# Altium PCB PCB_Kasli.PCBDOC (part 15 of 16)
Units mm, origin at the board's own origin, x right, y up, seen from the top; angles counter-clockwise.
Board outline 200.3 x 100 mm, 6 copper layers (TopLayer, MidLayer1, MidLayer2, SignalLayer1, Internal Plane 1, BottomLayer), stack 1.528 mm thick; 775 components, 636 nets, 3136 pads, 1724 vias.
Unrouted connection lines stored in the file: 7.
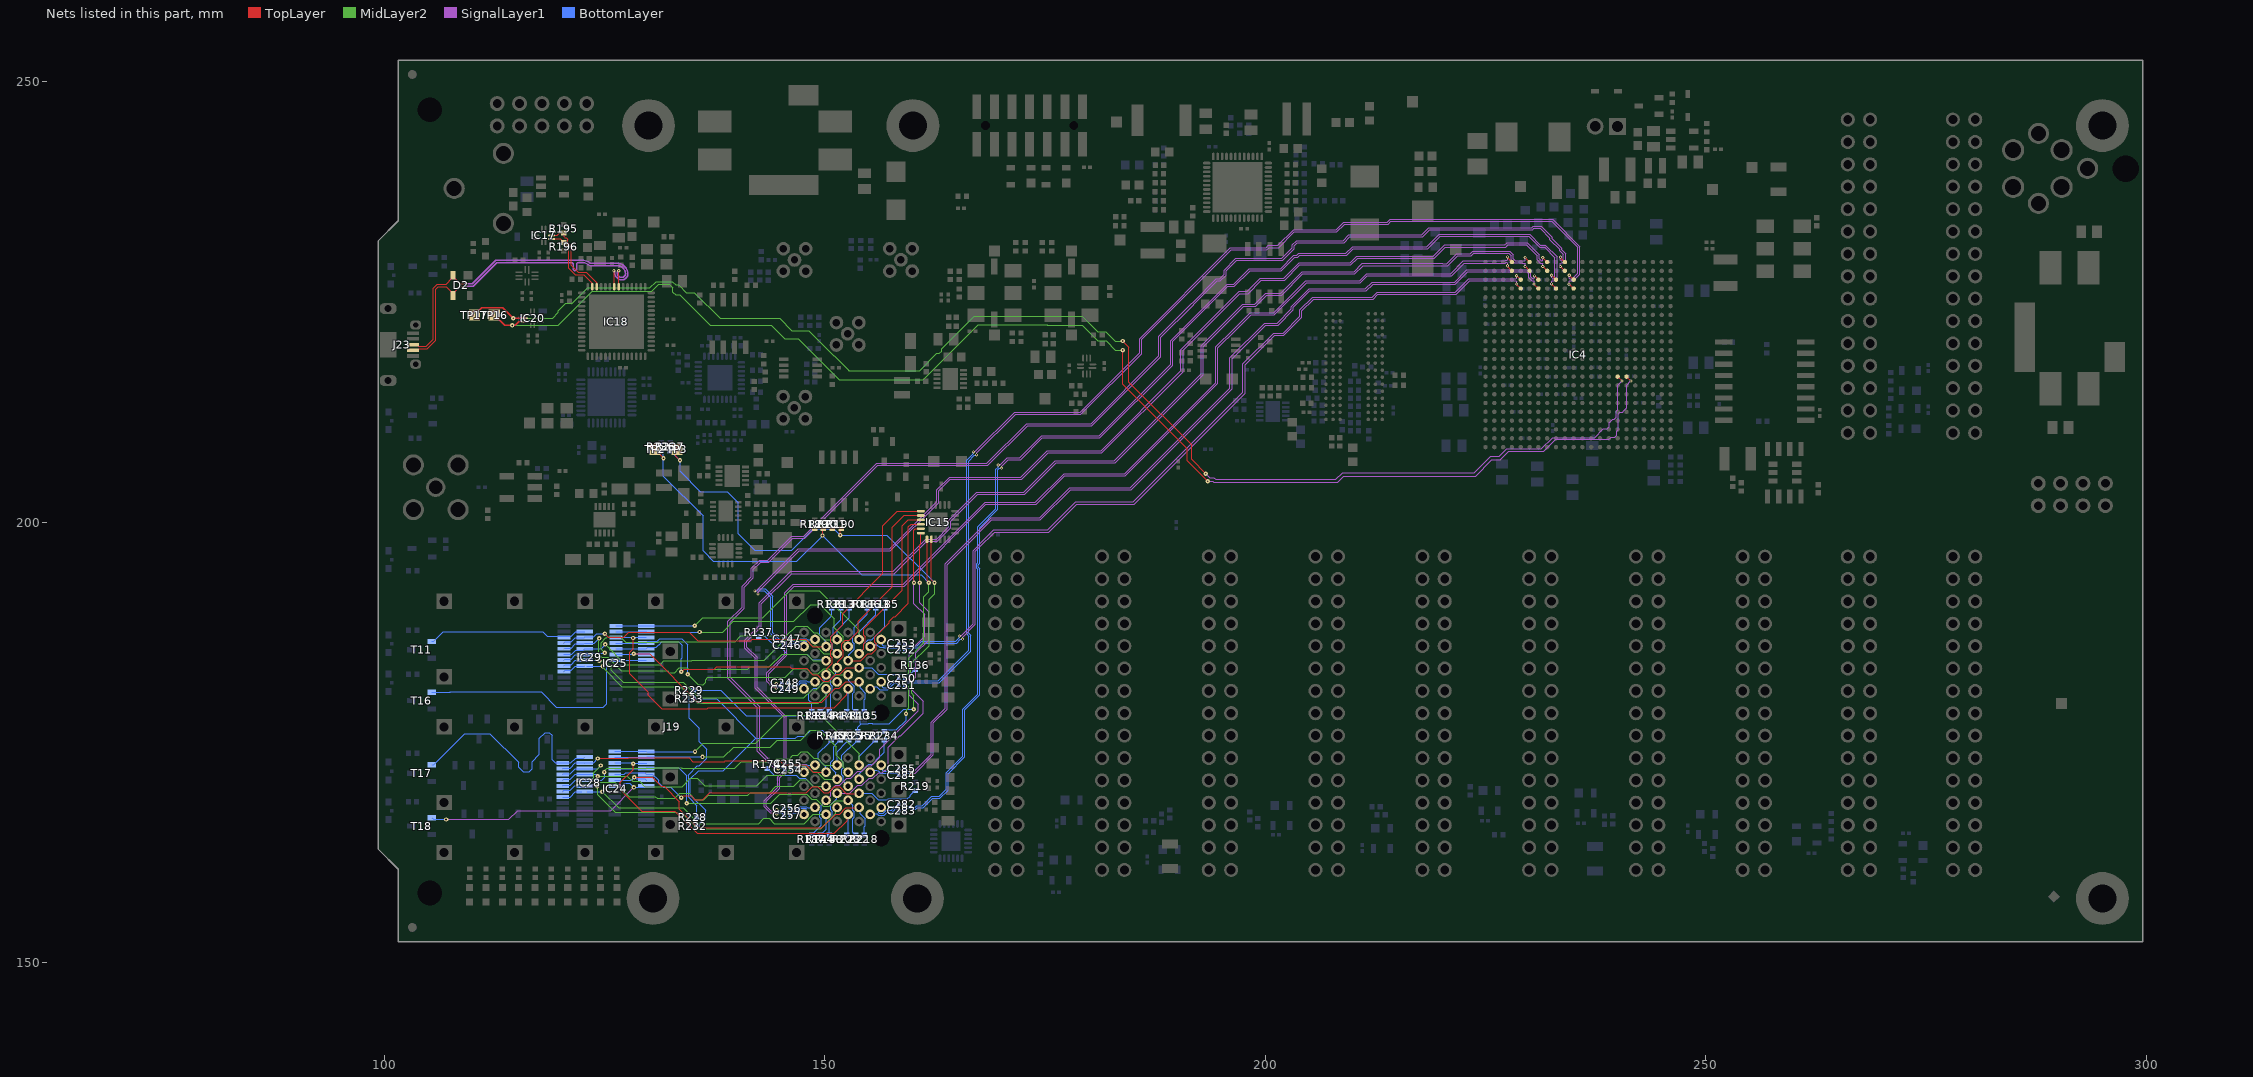
[diagram p19: the nets of this part, all layers, seen from the top]

## Via types
v1: diameter 0.5, hole 0.2, TopLayer to BottomLayer, tented both sides, 845 vias
v2: diameter 0.35, hole 0.15, TopLayer to BottomLayer, tented both sides, 612 vias
v3: diameter 0.8, hole 0.5, TopLayer to BottomLayer, tented both sides, 144 vias
v4: diameter 0.8, hole 0.5, TopLayer to BottomLayer, 66 vias
v5: diameter 0.5, hole 0.2, TopLayer to BottomLayer, 57 vias

## Nets (pads, with @x,y where several pads share a name; then routed paths per layer and width w, separated by ;. In a path a pad name is that pad's centre, name@x,y a point inside that pad or via, vN(x,y) a via of type N, cw(c..) or ccw(c..) an arc to the next point about the centre after c; other vN are vias at no path point) (continued)
RxD_2V5: IC4.P17 IC20.5 TP16.1 | length 159.1
  TopLayer w0.1: v1(183.825,219.525) 183.825,215.625 191.125,208.325 191.125,206.989 v1(193.474,204.64)
  TopLayer w0.125: IC4.P17@240.991,216.515 v2(241.491,216.015)
  TopLayer w0.15: TP16.1@112.5,223.5 113.675,222.325 v1(114.525,222.325) 114.85,222.325 115.05,222.525 115.264,222.739 IC20.5@115.94,222.739
  MidLayer2 w0.1: v1(114.525,222.325) 119.743,222.325 123.618,226.2 130.393,226.2 131.184,226.991 132.359,226.991 132.778,226.572 132.778,226.085 133.063,225.8 133.55,225.8 137.025,222.325 143.925,222.325 145.439,220.811 146.989,220.811 151.625,216.175 161.2,216.175 167.4,222.375 175.236,222.375 175.261,222.35 179.225,222.35 181,220.575 181.925,220.575 182.975,219.525 v1(183.825,219.525)
  SignalLayer1 w0.1: v1(193.474,204.64) 194.019,204.64 194.144,204.515 208.215,204.515 208.927,205.227 223.862,205.227 225.71,207.075 226.675,207.075 227.625,208.025 231.625,208.025 232.975,209.375 239,209.375 239.265,209.64 239.647,209.64 239.866,209.86 239.866,210.316 240.031,210.481 240.031,212.265 240.25,212.485 240.561,212.485 240.701,212.624
  SignalLayer1 w0.125: 240.701,212.624 241.025,212.949 241.025,215.549 v2(241.491,216.015)
SFP0_RD_N: C247.1 J19.LB12 | length 3.1
  BottomLayer w0.095: C247.1@146.1,186.75 146.125,186.75 146.278,186.598 146.278,186.541 146.333,186.485 146.911,186.485 147.198,186.773 147.928,186.773 148.048,186.652 148.882,186.652 J19.LB12@148.9,186.67
SFP0_RD_P: C246.1 J19.LB13 | length 2.8
  BottomLayer w0.095: C246.1@146.1,186 146.125,186 146.278,186.152 146.278,186.209 146.333,186.265 147.002,186.265 147.29,186.552 147.837,186.552 147.893,186.497 147.893,186.357 147.65,186.115 J19.LB13@147.65,185.87
SFP0_TD_N: C249.1 J19.LB19 | length 3.1
  BottomLayer w0.095: C249.1@145.875,181.025 145.9,181.025 146.053,181.177 146.053,181.234 146.108,181.29 146.827,181.29 147.29,181.753 147.837,181.753 147.893,181.697 147.893,181.557 147.65,181.315 J19.LB19@147.65,181.07
SFP0_TD_P: C248.1 J19.LB18 | length 3.4
  BottomLayer w0.095: C248.1@145.875,181.775 145.9,181.775 146.053,181.623 146.053,181.566 146.108,181.51 146.736,181.51 147.198,181.973 147.928,181.973 148.048,181.852 148.882,181.852 J19.LB18@148.9,181.87
SFP1_RD_N: C251.1 J19.LT12 | length 4
  BottomLayer w0.095: J19.LT12@155.15,181.07 J19.LT12@155.155,181.075 ; J19.LT12@155.15,181.075 J19.LT12@155.155,181.075 ; C251.1@158.4,181.5 158.375,181.5 158.223,181.652 158.223,181.709 158.167,181.765 157.918,181.765 157.126,180.973 156.258,180.973 155.923,181.308 155.655,181.308 155.422,181.075 J19.LT12@155.155,181.075
SFP1_RD_P: C250.1 J19.LT13 | length 3
  BottomLayer w0.095: J19.LT13@156.4,181.875 156.562,181.712 156.562,181.248 156.618,181.193 157.034,181.193 157.827,181.985 158.167,181.985 158.223,182.041 158.223,182.098 158.375,182.25 C250.1@158.4,182.25
SFP1_TD_N: C253.1 J19.LT19 | length 2.7
  BottomLayer w0.095: J19.LT19@156.4,186.675 156.562,186.513 156.562,186.048 156.618,185.993 156.78,185.993 156.788,185.985 158.167,185.985 158.223,186.041 158.223,186.098 158.375,186.25 C253.1@158.4,186.25
SFP1_TD_P: C252.1 J19.LT18 | length 3.6
  BottomLayer w0.095: J19.LT18@155.15,185.87 J19.LT18@155.155,185.875 ; J19.LT18@155.15,185.875 J19.LT18@155.155,185.875 ; C252.1@158.4,185.5 158.375,185.5 158.223,185.652 158.223,185.709 158.167,185.765 156.696,185.765 156.689,185.773 156.258,185.773 155.923,186.108 155.655,186.108 155.422,185.875 J19.LT18@155.155,185.875
SFP2_RD_N: C255.1 J19.RB12 | length 2.9
  BottomLayer w0.095: C255.1@146.201,172.601 146.226,172.601 146.378,172.448 146.378,172.416 146.434,172.361 147.037,172.361 147.198,172.523 147.928,172.523 148.048,172.402 148.882,172.402 J19.RB12@148.9,172.42
SFP2_RD_P: C254.1 J19.RB13 | length 2.6
  BottomLayer w0.095: C254.1@146.201,171.901 146.226,171.901 146.378,172.053 146.378,172.085 146.434,172.141 147.128,172.141 147.29,172.303 147.837,172.303 147.893,172.247 147.893,172.107 147.65,171.865 J19.RB13@147.65,171.62
SFP2_TD_N: C257.1 J19.RB19 | length 2.9
  BottomLayer w0.095: C257.1@146.1,166.75 146.125,166.75 146.278,166.902 146.278,166.959 146.333,167.015 146.802,167.015 147.29,167.503 147.837,167.503 147.893,167.447 147.893,167.307 147.65,167.065 J19.RB19@147.65,166.82
SFP2_TD_P: C256.1 J19.RB18 | length 3.2
  BottomLayer w0.095: C256.1@146.1,167.5 146.125,167.5 146.278,167.348 146.278,167.291 146.333,167.235 146.711,167.235 147.198,167.723 147.928,167.723 148.048,167.602 148.882,167.602 J19.RB18@148.9,167.62
SFP3_RD_N: C283.1 J19.RT12 | length 3.8
  BottomLayer w0.095: J19.RT12@155.15,166.82 155.208,166.878 155.962,166.878 156.082,166.757 156.757,166.757 157.094,167.094 157.681,167.094 157.937,167.351 157.937,167.414 158.038,167.515 158.167,167.515 158.223,167.459 158.223,167.402 158.375,167.25 C283.1@158.4,167.25
SFP3_RD_P: C282.1 J19.RT13 | length 3.5
  BottomLayer w0.095: J19.RT13@156.4,167.62 156.4,167.394 156.117,167.112 156.117,167.033 156.173,166.977 156.666,166.977 157.003,167.314 157.589,167.314 157.717,167.443 157.717,167.505 157.947,167.735 158.167,167.735 158.223,167.791 158.223,167.848 158.375,168 C282.1@158.4,168
SFP3_TD_N: C285.1 J19.RT19 | length 2.6
  BottomLayer w0.095: J19.RT19@156.481,172.344 156.562,172.263 156.562,171.798 156.618,171.743 156.78,171.743 156.788,171.735 158.167,171.735 158.223,171.791 158.223,171.847 158.375,172 C285.1@158.4,172
SFP3_TD_P: C284.1 J19.RT18 | length 3.6
  BottomLayer w0.095: J19.RT18@155.15,171.62 J19.RT18@155.155,171.625 ; J19.RT18@155.15,171.625 J19.RT18@155.155,171.625 ; C284.1@158.4,171.25 158.375,171.25 158.223,171.402 158.223,171.459 158.167,171.515 156.696,171.515 156.689,171.523 156.316,171.523 156.081,171.757 156.024,171.757 155.923,171.858 155.655,171.858 155.422,171.625 J19.RT18@155.155,171.625
SFP_0.LED: IC25.27 IC29.10 T11.1 | length 18.3
  BottomLayer w0.1: T11.1@105.4,186.45 105.6,186.45 106.725,187.575 118,187.575 118.534,187.041 121.216,187.041 121.734,187.559 122.734,187.559 IC25.27@122.75,187.575
SFP_0.LOS: IC25.26 IC29.9 J19.LB8 R138.1 | length 36.6
  TopLayer w0.125: v1(125.05,187.325) 125.45,186.925 127.176,186.925 127.751,187.5 134.6,187.5 135.563,186.537 141.601,186.537 141.776,186.713 147.82,186.713 148.658,185.875 J19.LB8@150.15,185.875
  BottomLayer w0.125: IC29.9@120.4,186.275 120.533,186.408 121.233,186.408 121.711,186.886 122.711,186.886 122.789,186.964 123.789,186.964 124.15,187.325 v1(125.05,187.325) ; J19.LB8@150.15,185.87 150.055,185.965 150.055,186.558 149.438,187.175 149.438,187.988 150.8,189.35 R138.1@150.8,190.23
SFP_0.MOD_PRESENT: IC25.25 IC29.8 J19.LB6 R137.1 | length 43.1
  MidLayer2 w0.125: v1(124.4,186.8) 124.366,186.766 124.366,186.465 124.325,186.424 124.325,185 124.675,184.65 125.35,184.65 126.889,183.111 132.164,183.111 132.35,182.925 132.969,182.925 133.515,183.471 134.355,183.471 134.539,183.287 141.24,183.287 141.51,183.558 143.725,183.558 145.155,184.988 147.975,184.988 148.692,184.27 J19.LB6@150.15,184.27
  BottomLayer w0.125: IC29.8@120.4,185.625 120.476,185.701 121.239,185.701 121.711,186.173 122.648,186.173 IC25.25@122.75,186.275 123.862,186.275 124.387,186.8 v1(124.4,186.8) ; R137.1@142.5,187.03 143.22,187.03 144.537,185.713 145.048,185.713 145.761,185 148,185 148.188,184.813 148.188,184.775 148.605,184.358 150.063,184.358 J19.LB6@150.15,184.27
SFP_0.RATE_SELECT: IC25.24 IC29.7 J19.LB7 R213.2 | length 40.1
  MidLayer2 w0.125: v1(125.078,186.122) 127.362,183.837 131.313,183.837 131.713,184.238 134.88,184.238 134.975,184.332 143.158,184.332 145.413,186.588 147.945,186.588 148.575,185.958 149.025,185.958 149.908,185.075 149.908,185.07 J19.LB7@151.4,185.07
  BottomLayer w0.125: IC29.7@120.4,184.975 121.275,184.975 121.763,185.463 122.587,185.463 IC25.24@122.75,185.625 124.644,185.625 125.078,186.059 v1(125.078,186.122) ; J19.LB7@151.4,185.07 150.863,185.608 150.863,186.2 150.688,186.375 150.688,187 150.95,187.262 150.95,188.075 151.8,188.925 R213.2@151.8,190.23
SFP_0.RATE_SELECT1: IC25.23 IC29.6 J19.LB9 R130.2 | length 39.1
  MidLayer2 w0.125: v1(125.025,185.15) 124.615,185.56 124.615,186.315 125.162,186.862 125.242,186.862 125.354,186.975 126.787,186.975 127.4,186.363 131.125,186.363 131.175,186.413 139.817,186.413 140.479,187.075 145.65,187.075 146.763,188.188 147.987,188.188 148.725,187.45 149.133,187.45 149.913,186.67 J19.LB9@151.4,186.67
  BottomLayer w0.125: IC29.6@120.4,184.325 120.533,184.458 121.233,184.458 121.711,184.936 122.711,184.936 122.912,185.137 125.012,185.137 v1(125.025,185.15) ; J19.LB9@151.4,186.67 151.4,187.75 152.8,189.15 R130.2@152.8,190.23
SFP_0.SCL: IC15.2 J19.LB5 R184.1 | length 28.2
  TopLayer w0.125: J19.LB5@151.4,183.47 151.495,183.565 151.495,184.158 152.113,184.775 152.113,185.383 151.938,185.558 151.938,185.861 151.937,186.17 152.355,186.588 152.775,186.588 153.775,187.587 153.775,188.775 157.675,192.675 157.675,199.4 159.026,200.751 IC15.2@160.906,200.751
  BottomLayer w0.125: R184.1@150.5,178.47 150.687,178.657 150.687,180.57 150.862,180.745 150.862,181.37 150.687,181.545 150.687,182.184 151.241,182.737 151.241,183.316 J19.LB5@151.4,183.475
SFP_0.SDA: IC15.1 J19.LB4 R183.1 | length 30.7
  TopLayer w0.125: J19.LB4@150.15,182.67 150.245,182.765 150.245,183.358 150.863,183.975 150.863,184.6 150.688,184.775 150.688,185 150.687,185.405 150.862,185.58 150.862,186.2 ; 150.688,186.343 150.688,186.345 ; 150.688,186.67 150.688,186.345 ; 150.704,186.359 150.862,186.2 ; 150.775,186.258 150.688,186.345 ; 150.862,186.207 150.862,186.2 ; IC15.1@160.906,201.251 158.251,201.251 156.6,199.6 156.6,194.175 152.022,189.597 152.022,188.327 150.687,186.993 150.687,186.345
  BottomLayer w0.125: R183.1@148.5,178.47 148.5,179.475 148.188,179.788 148.188,180.57 148.78,181.163 149.195,181.163 149.97,181.937 149.97,182.495 J19.LB4@150.15,182.675
SFP_0.TX_DISABLE: IC25.22 IC29.5 J19.LB3 | length 34
  MidLayer2 w0.125: v1(124.4,184.275) 125.05,184.275 125.775,183.55 125.775,183.179 127.128,181.826 133.924,181.826 135.687,180.062 147.645,180.062 148.57,180.988 149.025,180.988 149.908,181.87 J19.LB3@151.4,181.87
  BottomLayer w0.125: IC29.5@120.4,183.675 120.545,183.82 121.22,183.82 121.711,184.311 122.736,184.311 IC25.22@122.75,184.325 122.775,184.3 124.375,184.3 v1(124.4,184.275)
SFP_0.TX_FAULT: IC25.21 IC29.4 J19.LB2 R134.1 | length 35.6
  MidLayer2 w0.125: v1(124.8,183.65) 124.8,183.549 124.909,183.439 124.909,183.391 126.975,181.325 133.675,181.325 135.542,179.458 149.237,179.458 150.15,180.371 J19.LB2@150.15,181.07
  BottomLayer w0.125: IC29.4@120.4,183.025 120.533,183.158 121.233,183.158 121.711,183.636 122.711,183.636 IC25.21@122.75,183.675 ; IC25.21@122.975,183.65 v1(124.8,183.65) ; R134.1@149.5,178.47 149.52,178.47 149.747,178.697 149.747,178.717 150.15,179.12 J19.LB2@150.15,181.07
SFP_1.LED: IC25.7 IC29.19 T16.1 | length 30
  BottomLayer w0.1: T16.1@105.4,180.7 107.5,180.7 107.525,180.725 117.8,180.725 119.525,179 124.875,179 125.275,179.4 125.275,184.1 125.484,184.309 126.284,184.309 IC29.19@126.3,184.325 IC25.7@129.75,184.325
SFP_1.LOS: IC25.6 IC29.18 J19.LT8 R135.1 | length 35.9
  TopLayer w0.1: v1(128.325,185.05) 130.114,185.05 135.594,179.57 149.64,179.57 151.206,181.136 151.656,181.136 152.39,181.87 J19.LT8@153.9,181.87
  BottomLayer w0.1: IC29.18@126.3,184.975 v1@128.25,184.975 ; v1(128.325,185.05) 129.675,185.05 IC25.6@129.75,184.975 ; J19.LT8@153.9,181.875 154.006,181.769 154.006,181.175 154.6,180.581 154.6,179.955 154.5,179.855 R135.1@154.5,178.47
SFP_1.MOD_PRESENT: IC25.5 IC29.17 J19.LT6 R136.1 | length 41.5
  TopLayer w0.125: v1(133.707,183.009) 133.768,183.009 134.047,183.287 137.472,183.287 137.742,183.558 146.05,183.558 146.22,183.388 147.945,183.388 148.658,182.675 149.137,182.675 149.855,181.958 150.445,181.958 151.245,182.758 151.704,182.758 152.416,183.47 J19.LT6@153.9,183.47
  BottomLayer w0.125: IC29.17@126.3,185.625 IC25.5@129.75,185.625 129.912,185.787 130.862,185.787 131.175,186.1 131.204,186.1 131.517,186.413 133.443,186.413 133.825,186.031 133.825,184.63 133.707,184.511 v1(133.707,183.009) ; 131.55,186.4 133.4,186.4 ; J19.LT6@153.9,183.47 153.905,183.475 155.358,183.475 156.075,182.758 159.707,182.758 160.2,183.25 160.22,183.25 R136.1@160.25,183.28
SFP_1.RATE_SELECT: IC25.4 IC29.16 J19.LT7 R140.2 | length 37.1
  MidLayer2 w0.1: v1(134.45,182.725) 135.625,181.55 136.186,181.55 136.468,181.832 136.468,182.093 136.75,182.375 145.511,182.375 146.511,183.375 147.94,183.375 148.545,182.77 149.255,182.77 149.86,183.375 150.44,183.375 151.145,182.67 J19.LT7@152.65,182.67
  BottomLayer w0.1: IC29.16@126.3,186.275 IC25.4@129.75,186.275 129.925,186.45 130.975,186.45 131.275,186.75 133.8,186.75 134.45,186.1 v1(134.45,182.725) ; J19.LT7@152.65,182.675 152.745,182.58 152.745,181.975 153.35,181.37 153.35,180.71 153.2,180.56 153.2,178.77 153.24,178.73 153.24,178.71 153.48,178.47 R140.2@153.5,178.47
SFP_1.RATE_SELECT1: IC25.3 IC29.15 J19.LT9 R141.2 | length 38.1
  TopLayer w0.125: v1(128.25,186.85) 128.25,185.629 127.863,185.242 127.863,182.812 129.987,180.687 129.987,180.367 131.517,178.837 136.68,178.837 136.775,178.932 151.07,178.932 152.52,180.383 152.52,180.94 J19.LT9@152.65,181.07
  BottomLayer w0.125: IC29.15@126.3,186.925 128.074,186.925 v1@128.149,186.85 ; v1(128.25,186.85) 128.322,186.922 128.634,186.922 128.637,186.925 IC25.3@129.75,186.925 ; R141.2@152.5,178.47 152.65,178.62 J19.LT9@152.65,181.07
SFP_1.SCL: IC15.4 J19.LT5 R186.1 | length 27.9
  TopLayer w0.125: J19.LT5@152.65,184.27 154.108,184.27 154.908,185.07 155.358,185.07 155.863,185.575 155.863,186.2 155.688,186.375 155.688,186.775 155.687,186.97 156.501,187.783 156.506,187.783 157.324,188.601 157.324,188.748 157.839,189.264 157.986,189.264 159.5,190.778 159.5,199.45 159.801,199.751 IC15.4@160.906,199.751
  BottomLayer w0.125: J19.LT5@152.65,184.27 152.745,184.365 152.745,184.958 153.363,185.575 153.363,186.2 153.188,186.375 153.188,187 153.363,187.175 153.363,188.088 154.8,189.525 R186.1@154.8,190.23
SFP_1.SDA: IC15.3 J19.LT4 R185.1 | length 25.6
  TopLayer w0.125: J19.LT4@153.9,185.07 J19.LT4@153.902,185.073 ; J19.LT4@153.9,185.075 154.437,185.612 154.437,185.909 154.437,186.205 154.613,186.38 154.613,187.005 154.437,187.18 154.437,187.887 158.825,192.275 158.825,199.575 159.493,200.243 IC15.3@160.898,200.243
  BottomLayer w0.125: J19.LT4@153.9,185.07 J19.LT4@153.902,185.073 ; J19.LT4@153.9,185.075 154.437,185.612 154.437,186.17 154.918,186.651 155.338,186.651 156.8,188.112 R185.1@156.8,190.23
SFP_1.TX_DISABLE: IC25.2 IC29.14 J19.LT3 | length 30.5
  MidLayer2 w0.125: v1(135.8,187.525) 138.425,187.525 139.625,188.725 146.5,188.725 148.387,190.613 149.487,190.613 151.054,189.046 151.054,188.029 152.112,186.97 152.112,186.413 J19.LT3@152.65,185.875 ; J19.LT3@152.648,185.873 J19.LT3@152.65,185.87
  BottomLayer w0.125: IC29.14@126.3,187.575 IC25.2@129.75,187.575 129.8,187.525 v1(135.8,187.525)
SFP_1.TX_FAULT: IC25.1 IC29.13 J19.LT2 R133.1 | length 36.5
  MidLayer2 w0.125: v1(135.25,188.225) 136.175,189.15 142.965,189.15 146.015,192.2 149.4,192.2 153.9,187.7 J19.LT2@153.9,186.675 ; J19.LT2@153.898,186.673 J19.LT2@153.9,186.67
  BottomLayer w0.125: IC29.13@126.3,188.225 IC25.1@129.75,188.225 v1(135.25,188.225) ; J19.LT2@153.9,186.67 153.9,187.575 155.8,189.475 R133.1@155.8,190.23
SFP_2.LED: IC24.27 IC28.10 T17.1 | length 27.6
  BottomLayer w0.1: T17.1@105.4,172.45 105.6,172.45 109.139,175.989 111.986,175.989 115.25,172.725 115.25,172.204 115.779,171.675 116.479,171.675 116.8,171.996 116.8,172.825 117.6,173.625 117.6,175.446 118.262,176.109 118.738,176.109 119.05,175.796 119.05,173.05 119.425,172.675 IC28.10@120.275,172.675 121.2,172.675 121.734,173.209 122.634,173.209 IC24.27@122.75,173.325
SFP_2.LOS: IC24.26 IC28.9 J19.RB8 R145.1 | length 35.8
  TopLayer w0.125: v1(124.25,173.175) 127.72,173.175 127.773,173.228 134.622,173.228 135.034,172.816 138.663,172.816 138.736,172.888 144.886,172.888 145.333,172.441 147.842,172.441 148.685,171.598 J19.RB8@150.172,171.598
  BottomLayer w0.125: IC28.9@120.275,172.025 120.314,172.064 121.114,172.064 121.711,172.661 122.736,172.661 IC24.26@122.75,172.675 ; IC24.26@122.772,172.653 122.833,172.714 123.789,172.714 v1(124.25,173.175) ; J19.RB8@150.15,171.62 150.128,171.642 150.128,172.234 149.279,173.083 149.279,173.754 150.503,174.977 150.503,175.053 150.73,175.28 R145.1@150.75,175.28
SFP_2.MOD_PRESENT: IC24.25 IC28.8 J19.RB6 R174.1 | length 43.3
  MidLayer2 w0.125: v1(124.575,172.375) 123.775,171.575 123.775,170.7 124,170.475 125.59,170.475 125.605,170.491 126.18,170.491 127.832,168.839 130.786,168.839 130.972,168.653 132.99,168.653 133.537,169.2 134.596,169.2 135.308,168.487 136.247,168.487 136.775,169.016 141.262,169.016 141.532,169.286 143.747,169.286 144.459,169.998 146.462,169.998 147.202,170.738 147.975,170.738 148.714,169.998 J19.RB6@150.172,169.998
  BottomLayer w0.125: IC28.8@120.275,171.375 120.339,171.439 121.114,171.439 121.7,172.025 IC24.25@122.75,172.025 ; IC24.25@122.772,172.003 124.234,172.003 124.575,172.344 v1(124.575,172.375) ; R174.1@143.5,172.03 143.52,172.03 143.747,171.803 143.747,171.783 144.28,171.25 146.75,171.25 147.092,170.908 147.81,170.908 148.692,170.025 149.98,170.025 150.063,170.108 J19.RB6@150.15,170.02
SFP_2.RATE_SELECT: IC24.24 IC28.7 J19.RB7 R193.2 | length 39.5
  MidLayer2 w0.125: v1(124.25,171.166) 127.58,171.166 128.183,170.562 129,170.562 129.575,169.988 133.833,169.988 134.758,170.913 135.517,170.913 136.368,170.061 142.275,170.061 143.46,171.246 145.41,171.246 146.502,172.338 147.945,172.338 148.597,171.686 149.082,171.686 149.942,170.825 151.395,170.825 J19.RB7@151.422,170.798
  BottomLayer w0.125: IC28.7@120.275,170.725 120.364,170.814 121.114,170.814 121.675,171.375 IC24.24@122.75,171.375 ; IC24.24@122.784,171.366 123.989,171.366 124.189,171.166 v1(124.25,171.166) ; J19.RB7@151.4,170.825 151.255,170.97 151.255,171.563 150.687,172.13 150.687,172.755 151,173.067 151,174.53 151.503,175.032 151.503,175.052 151.73,175.28 R193.2@151.75,175.28
SFP_2.RATE_SELECT1: IC24.23 IC28.6 J19.RB9 R215.2 | length 37.3
  MidLayer2 w0.125: v1(124.975,171.628) 124.975,171.73 125.086,171.84 125.086,171.886 125.291,172.091 130.7,172.091 130.722,172.113 133.778,172.113 133.8,172.091 139.788,172.091 140.501,172.803 144.2,172.803 144.538,173.141 146.009,173.141 146.394,173.526 146.943,173.526 147.355,173.938 147.987,173.938 148.747,173.178 149.189,173.178 149.969,172.398 J19.RB9@151.422,172.398
  BottomLayer w0.125: IC28.6@120.275,170.075 120.339,170.139 121.114,170.139 121.7,170.725 IC24.23@122.75,170.725 ; IC24.23@122.772,170.703 124.703,170.703 125.025,171.025 125.025,171.578 v1(124.975,171.628) ; J19.RB9@151.4,172.42 151.4,173.93 152.515,175.045 152.515,175.065 152.73,175.28 R215.2@152.75,175.28
SFP_2.SCL: IC15.6 J19.RB5 R188.1 | length 42.8
  TopLayer w0.125: IC15.6@160.625,198.751 IC15.6@160.906,198.751 160.906,197.55 160.778,197.422 v1(160.778,193.125)
  SignalLayer1 w0.125: J19.RB5@151.4,169.22 152.853,169.22 153.74,170.108 154.225,170.108 155.025,170.908 155.475,170.908 156.105,171.538 156.52,171.538 156.799,171.816 156.941,171.816 157.225,172.1 157.225,174.471 158.517,175.762 158.612,175.762 161.175,178.325 161.175,179.671 159.776,181.07 159.776,181.825 160.35,182.399 160.35,185.15 161.8,186.6 161.8,189.825 160.778,190.847 v1(160.778,193.125)
  BottomLayer w0.125: R188.1@150.5,164.47 150.5,166.133 150.68,166.313 150.68,166.347 150.862,166.53 150.862,167.155 150.687,167.33 150.687,167.92 151.022,168.254 151.022,168.272 151.356,168.606 151.356,169.176 J19.RB5@151.4,169.22
SFP_2.SDA: IC15.5 J19.RB4 R187.1 | length 43.6
  TopLayer w0.125: v1(160.128,193.125) 160.128,197.697 160.1,197.725 160.1,199.083 160.268,199.251 IC15.5@160.906,199.251
  SignalLayer1 w0.125: J19.RB4@150.15,168.42 150.688,168.958 150.688,169.236 150.687,169.52 151.275,170.108 151.725,170.108 152.525,170.908 152.975,170.908 153.775,171.708 154.213,171.708 154.842,172.338 155.275,172.338 156.225,173.287 156.225,174.221 160.6,178.596 160.6,179.325 159.575,180.35 159.575,180.95 159.3,181.225 159.3,182 159.575,182.275 159.575,185.275 161.325,187.025 161.325,189.55 160.128,190.747 v1(160.128,193.125)
  BottomLayer w0.125: R187.1@148.5,164.47 148.52,164.47 148.747,164.697 148.747,164.717 149.613,165.583 149.613,166.355 149.437,166.53 149.437,167.12 149.612,167.295 149.612,167.888 150.145,168.42 J19.RB4@150.15,168.42
SFP_2.TX_DISABLE: IC24.22 IC28.5 J19.RB3 | length 35.3
  MidLayer2 w0.125: v1(124.175,170.012) 124.213,169.974 124.213,169.037 126.197,167.053 133.697,167.053 135.564,165.186 149.523,165.186 151.27,166.933 151.27,167.49 J19.RB3@151.4,167.62
  BottomLayer w0.125: IC28.5@120.275,169.425 120.408,169.558 121.108,169.558 121.625,170.075 IC24.22@122.75,170.075 ; IC24.22@122.772,170.053 122.822,170.053 122.844,170.075 124.113,170.075 v1(124.175,170.012)
SFP_2.TX_FAULT: IC24.21 IC28.4 J19.RB2 R144.1 | length 34.6
  MidLayer2 w0.125: v1(124.767,169.397) 126.61,167.554 133.946,167.554 135.709,165.791 142.487,165.791 143.058,166.363 143.703,166.363 144.275,165.791 147.658,165.791 148.687,166.82 J19.RB2@150.15,166.82
  BottomLayer w0.125: IC28.4@120.275,168.775 120.289,168.789 121.114,168.789 121.711,169.386 122.361,169.386 IC24.21@122.4,169.425 ; IC24.21@123.015,169.397 v1(124.767,169.397) ; R144.1@149.5,164.47 149.52,164.47 149.747,164.697 149.747,164.717 150.15,165.12 J19.RB2@150.15,166.82
SFP_3.LED: IC24.7 IC28.19 T18.1 | length 28.5
  SignalLayer1 w0.125: v1(107.025,166.25) 114.15,166.25 115.163,167.263 125.722,167.263 v1(128.347,169.888)
  BottomLayer w0.125: T18.1@105.4,166.45 105.6,166.25 v1(107.025,166.25) ; IC28.19@126.175,170.075 126.214,170.114 127.014,170.114 127.275,170.375 127.859,170.375 v1(128.347,169.888) 128.372,169.913 129.588,169.913 IC24.7@129.75,170.075
SFP_3.LOS: IC24.6 IC28.18 J19.RT8 R218.1 | length 36.7
  TopLayer w0.1: v1(128.375,171.025) 130.425,171.025 131.453,169.997 131.79,169.997 133.5,168.286 133.5,167.414 135.616,165.298 149.662,165.298 151.228,166.864 151.678,166.864 152.412,167.598 J19.RT8@153.922,167.598
  BottomLayer w0.1: v1(128.375,171.025) 128.483,171.025 128.608,170.9 129.575,170.9 IC24.6@129.75,170.725 IC24.6@129.772,170.703
  BottomLayer w0.125: IC28.18@126.175,170.725 128.075,170.725 v1(128.375,171.025) ; J19.RT8@153.9,167.625 154.045,167.48 154.045,166.887 154.613,166.32 154.613,165.512 154.5,165.4 R218.1@154.5,164.47
SFP_3.MOD_PRESENT: IC24.5 IC28.17 J19.RT6 R219.1 | length 38
  TopLayer w0.125: v1(133.728,168.737) 133.79,168.737 133.969,168.916 134.839,168.916 135.267,168.487 136.137,168.487 136.935,169.286 147.918,169.286 148.57,169.938 149.225,169.938 149.877,169.286 150.453,169.286 151.105,169.938 151.695,169.938 152.435,169.198 J19.RT6@153.922,169.198
  BottomLayer w0.125: IC28.17@126.175,171.375 127.25,171.375 127.425,171.55 128.814,171.55 128.827,171.538 129.588,171.538 IC24.5@129.75,171.375 130.45,171.375 130.724,171.101 130.738,171.101 131.138,170.701 131.138,170.437 131.657,169.918 132.547,169.918 v1(133.728,168.737) ; J19.RT6@153.9,169.225 155.358,169.225 156.07,168.513 157.15,168.513 157.225,168.587 159.372,168.587 159.687,168.903 159.687,168.987 160.23,169.53 R219.1@160.25,169.53
SFP_3.RATE_SELECT: IC24.4 IC28.16 J19.RT7 R222.2 | length 35.7
  MidLayer2 w0.1: v1(134.328,168.103) 143.85,168.103 144.872,169.125 147.94,169.125 148.54,168.525 149.055,168.525 149.855,167.725 150.51,167.725 151.183,168.398 J19.RT7@152.672,168.398
  BottomLayer w0.1: IC28.16@126.175,172.025 IC24.4@129.75,172.025 129.825,172.1 133.417,172.1 134.328,171.189 v1(134.328,168.103)
  BottomLayer w0.125: J19.RT7@152.65,168.42 152.672,168.398 152.677,168.398 153.187,167.888 153.187,167.305 153.363,167.13 153.363,166.508 153.187,166.333 153.187,164.782 153.253,164.717 153.253,164.697 153.48,164.47 R222.2@153.5,164.47
SFP_3.RATE_SELECT1: IC24.3 IC28.15 J19.RT9 R223.2 | length 38.8
  TopLayer w0.125: v1(128.272,172.578) 128.272,171.922 126.8,170.45 126.8,169.625 129.225,167.2 133.006,167.2 135.545,164.661 151.092,164.661 152.542,166.111 152.542,166.668 J19.RT9@152.672,166.798
  BottomLayer w0.125: IC28.15@126.175,172.675 128.074,172.675 128.17,172.578 v1(128.272,172.578) 128.344,172.65 128.656,172.65 128.659,172.653 IC24.3@129.772,172.653 ; R223.2@152.5,164.47 152.65,164.62 J19.RT9@152.65,166.82
SFP_3.SCL: J19.RT5 R235.2 | length 6.5
  BottomLayer w0.125: J19.RT5@152.65,170.02 152.628,170.042 152.628,170.047 152.112,170.563 152.112,171.155 151.937,171.33 151.937,171.938 152.112,172.113 152.112,172.729 151.937,172.904 151.937,173.52 152.695,174.278 152.747,174.278 153.502,175.033 153.502,175.053 153.73,175.28 R235.2@153.75,175.28
SFP_3.SDA: J19.RT4 R234.2 | length 5.9
  BottomLayer w0.125: J19.RT4@153.9,170.82 153.922,170.842 153.922,171.434 154.995,172.508 155.445,172.508 155.863,172.925 155.863,173.013 156.75,173.9 R234.2@156.75,175.28
SFP_3.TX_DISABLE: IC24.2 IC28.14 J19.RT3 | length 30.7
  MidLayer2 w0.125: v1(136.125,173.35) 138.544,173.35 139.647,174.453 143.803,174.453 144.599,175.25 147.275,175.25 147.837,175.813 147.837,175.887 148.313,176.363 149.413,176.363 151.291,174.484 151.291,173.541 152.112,172.72 152.112,172.163 J19.RT3@152.65,171.625 ; J19.RT3@152.648,171.623 J19.RT3@152.672,171.598
  BottomLayer w0.125: IC28.14@126.175,173.325 IC24.2@129.75,173.325 ; IC24.2@129.772,173.303 129.797,173.278 129.869,173.35 v1(136.125,173.35)
SFP_3.TX_FAULT: IC24.1 IC28.13 J19.RT2 R217.1 | length 36.2
  MidLayer2 w0.125: v1(135.272,173.953) 136.197,174.878 142.175,174.878 145.372,178.075 149.554,178.075 151.237,176.392 151.237,176.363 153.9,173.7 J19.RT2@153.9,172.425 ; J19.RT2@153.898,172.423 J19.RT2@153.922,172.398
  BottomLayer w0.125: IC28.13@126.175,173.975 IC24.1@129.75,173.975 ; IC24.1@129.772,173.953 v1(135.272,173.953) ; J19.RT2@153.9,172.42 153.9,173.43 155.503,175.033 155.503,175.053 155.73,175.28 R217.1@155.75,175.28
SFP_RX_TX_0.RD_N: C247.2 IC4.A8 | length 118.6
  TopLayer w0.095: v2(231.491,230.015) IC4.A8@231.991,229.515
  SignalLayer1 w0.115: v2(142.071,192.204) 142.108,192.241 142.296,192.241 147.015,196.96 157.36,196.96 162.7,202.3 162.7,203.647 164.163,205.11 172.26,205.11 175.26,208.11 181.36,208.11 190.425,217.175 190.425,219.582 197.018,226.175 197.94,226.175 199.45,227.685 202.085,227.685 203.835,229.435 209.628,229.435 210.368,230.175 219.068,230.175 220.341,231.449 227.2,231.449 227.456,231.705 229.713,231.705 231.098,230.32 231.098,229.864 231.329,229.632 231.424,229.632 231.491,229.7 v2(231.491,230.015)
  BottomLayer w0.095: v2(142.071,192.204) 142.102,192.234 142.3,192.234 142.486,192.42 143.241,192.42 144.085,191.576 144.085,187.44 144.937,186.588 144.937,186.586 145.038,186.485 145.167,186.485 145.223,186.541 145.223,186.598 145.375,186.75 C247.2@145.4,186.75
SFP_RX_TX_0.RD_P: C246.2 IC4.B8 | length 118.2
  TopLayer w0.095: v2(231.491,229.015) IC4.B8@231.991,228.515
  SignalLayer1 w0.115: v2(142.425,191.85) 142.462,191.887 142.462,192.074 147.113,196.725 157.457,196.725 162.935,202.203 162.935,203.55 164.26,204.875 172.357,204.875 175.357,207.875 181.457,207.875 190.66,217.078 190.66,219.485 197.115,225.94 198.037,225.94 199.547,227.45 202.182,227.45 203.932,229.2 209.725,229.2 210.465,229.94 219.165,229.94 220.439,231.214 227.297,231.214 227.554,231.47 229.615,231.47 230.863,230.223 230.863,229.766 231.231,229.397 231.424,229.397 231.491,229.33 v2(231.491,229.015)
  BottomLayer w0.095: v2(142.425,191.85) 142.456,191.881 142.456,192.079 142.577,192.2 143.15,192.2 143.865,191.485 143.865,187.349 144.717,186.496 144.717,186.495 144.947,186.265 145.167,186.265 145.223,186.209 145.223,186.152 145.375,186 C246.2@145.4,186
SFP_RX_TX_0.TD_N: C249.2 IC4.A4 | length 114.4
  TopLayer w0.095: v2(227.494,230.1) 227.494,230.012 IC4.A4@227.991,229.515
  SignalLayer1 w0.115: v2(144.5,181.15) 144.448,181.15 144.315,181.283 144.055,181.283 143.403,181.935 143.403,182.91 145.45,184.957 145.45,191.96 146.425,192.935 158.903,192.935 168.203,202.235 173.91,202.235 177.16,205.485 184.035,205.485 194.39,215.84 194.39,219.872 196.409,221.891 198.293,223.775 200.946,223.775 204.581,227.41 210.703,227.41 211.485,228.193 221.035,228.193 222.475,229.632 227.144,229.632 227.224,229.712 227.42,229.712 227.487,229.78 227.487,230.093 v2(227.494,230.1)
  BottomLayer w0.095: v2(144.5,181.15) 144.543,181.15 144.683,181.29 144.942,181.29 144.998,181.234 144.998,181.177 145.15,181.025 C249.2@145.175,181.025
SFP_RX_TX_0.TD_P: C248.2 IC4.B4 | length 113.6
  TopLayer w0.095: v2(227.48,229.089) 227.48,229.026 IC4.B4@227.991,228.515
  SignalLayer1 w0.115: v2(144.5,181.65) 144.448,181.65 144.315,181.518 144.152,181.518 143.638,182.032 143.638,182.813 145.685,184.86 145.685,191.863 146.522,192.7 159,192.7 168.3,202 174.007,202 177.257,205.25 184.132,205.25 194.625,215.743 194.625,219.775 196.741,221.891 198.39,223.54 201.043,223.54 204.678,227.175 210.8,227.175 211.583,227.957 221.132,227.957 222.572,229.397 227.241,229.397 227.321,229.477 227.42,229.477 227.487,229.41 227.487,229.097 v2(227.48,229.089)
  BottomLayer w0.095: v2(144.5,181.65) 144.543,181.65 144.683,181.51 144.942,181.51 144.998,181.566 144.998,181.623 145.15,181.775 C248.2@145.175,181.775
SFP_RX_TX_1.RD_N: C251.2 IC4.C11 | length 118.7
  TopLayer w0.095: v2(234.491,228.015) IC4.C11@234.991,227.515
  SignalLayer1 w0.115: v2(167.225,207.625) 167.262,207.662 167.262,207.849 171.663,212.25 179.082,212.25 185.96,219.128 185.96,220.728 196.132,230.9 200.191,230.9 200.448,231.158 201.533,231.158 203.3,232.925 208.125,232.925 209.014,233.814 213.95,233.814 214.257,234.121 232.519,234.121 235.466,231.175 235.466,228.25 234.836,227.62 234.546,227.62 234.479,227.687 234.479,228.002 v2(234.491,228.015)
  BottomLayer w0.095: C251.2@159.1,181.5 159.125,181.5 159.277,181.652 159.277,181.709 159.333,181.765 163.001,181.765 166.589,185.353 166.589,187.136 166.32,187.405 166.32,206.918 166.996,207.594 167.194,207.594 v2(167.225,207.625)
SFP_RX_TX_1.RD_P: C250.2 IC4.D11 | length 119.6
  TopLayer w0.095: v2(234.466,226.99) 234.516,226.99 IC4.D11@234.991,226.515
  SignalLayer1 w0.115: v2(166.871,207.979) 166.908,208.016 167.096,208.016 171.565,212.485 178.985,212.485 185.725,219.225 185.725,220.825 196.035,231.135 200.094,231.135 200.351,231.393 201.435,231.393 203.203,233.16 208.028,233.16 208.916,234.049 213.853,234.049 214.16,234.356 232.617,234.356 235.701,231.272 235.701,228.153 234.933,227.385 234.546,227.385 234.479,227.318 234.479,227.002 v2(234.466,226.99) v2@234.398,226.921
  BottomLayer w0.095: C250.2@159.1,182.25 159.125,182.25 159.277,182.098 159.277,182.041 159.333,181.985 162.91,181.985 166.369,185.444 166.369,187.044 166.1,187.314 166.1,207.009 166.841,207.75 166.841,207.948 v2(166.871,207.979)
SFP_RX_TX_1.TD_N: C253.2 IC4.C5 | length 95.2
  TopLayer w0.095: v2(228.53,227.961) 228.545,227.961 IC4.C5@228.991,227.515
  SignalLayer1 w0.115: v2(165.275,187.075) 165.312,187.112 165.499,187.112 166.865,188.478 166.865,196.772 167.519,197.426 ; 167.45,197.357 169.203,199.11 175.328,199.11 178.503,202.285 185.035,202.285 197.465,214.715 197.465,217.947 200.978,221.46 202.01,221.46 203.921,223.371 203.921,224.079 205.378,225.535 212.135,225.535 212.693,226.092 221.56,226.092 223.1,227.632 226.847,227.632 226.874,227.605 228.443,227.605 228.511,227.673 228.511,227.942 v2(228.53,227.961)
  BottomLayer w0.095: C253.2@159.1,186.25 159.125,186.25 159.277,186.098 159.277,186.041 159.333,185.985 160.51,185.985 161.02,186.495 164.893,186.495 165.244,186.846 165.244,187.044 v2(165.275,187.075)
SFP_RX_TX_1.TD_P: C252.2 IC4.D5 | length 95.1
  TopLayer w0.095: v2(228.491,227.015) IC4.D5@228.991,226.515
  SignalLayer1 w0.115: v2(165.629,186.721) 165.666,186.758 165.666,186.946 167.1,188.38 167.1,196.675 167.547,197.122 169.3,198.875 175.425,198.875 178.6,202.05 185.132,202.05 197.7,214.618 197.7,217.85 201.075,221.225 202.107,221.225 204.156,223.274 204.156,223.981 205.475,225.3 212.232,225.3 212.79,225.857 221.657,225.857 223.197,227.397 226.75,227.397 226.777,227.37 228.443,227.37 228.511,227.303 228.511,227.034 v2(228.491,227.015)
  BottomLayer w0.095: C252.2@159.1,185.5 159.125,185.5 159.277,185.652 159.277,185.709 159.333,185.765 160.601,185.765 161.111,186.275 164.984,186.275 165.4,186.691 165.598,186.691 v2(165.629,186.721)
SFP_RX_TX_2.RD_N: C255.2 IC4.A10 | length 140.3
  TopLayer w0.095: v2(233.494,230.075) 233.494,230.012 IC4.A10@233.991,229.515
  SignalLayer1 w0.115: v2(144.725,172.501) 144.673,172.501 144.54,172.368 144.332,172.368 142.6,174.1 142.6,179.05 139.25,182.4 139.25,188.633 140.85,190.232 140.85,192.621 141.913,193.684 141.913,194.66 142.71,195.457 143.657,195.457 146.367,198.167 147.742,198.167 156,206.425 168.5,206.425 173.015,210.94 180.322,210.94 188.15,218.768 188.15,220.968 191.742,224.56 191.742,224.565 192.01,224.832 192.015,224.832 194.558,227.376 194.912,227.376 195.559,228.022 195.559,228.502 196.751,229.694 201.959,229.694 203.292,231.027 203.292,231.352 203.648,231.708 208.933,231.708 209.587,232.362 217.854,232.362 218.647,233.156 230.325,233.156 230.494,233.325 231.193,233.325 232.309,232.208 232.309,232.067 233.425,230.952 233.425,230.795 233.842,230.377 233.842,229.849 233.656,229.662 233.56,229.662 233.493,229.73 233.493,230.073 v2(233.494,230.075) ; v2@233.426,230.006 v2(233.494,230.075) ; v2@233.576,230.156 v2(233.494,230.075)
  BottomLayer w0.095: v2(144.725,172.501) 144.768,172.501 144.908,172.361 145.267,172.361 145.323,172.416 145.323,172.448 145.476,172.601 C255.2@145.501,172.601
SFP_RX_TX_2.RD_P: C254.2 IC4.B10 | length 141.7
  TopLayer w0.095: v2(233.491,229.015) IC4.B10@233.991,228.515
  SignalLayer1 w0.115: v2(144.725,172.001) 144.673,172.001 144.54,172.133 144.234,172.133 142.365,174.003 142.365,178.953 139.015,182.303 139.015,188.73 140.615,190.33 140.615,192.718 141.678,193.781 141.678,194.758 142.613,195.692 143.56,195.692 146.27,198.402 147.645,198.402 155.903,206.66 168.403,206.66 172.918,211.175 180.225,211.175 187.915,218.865 187.915,221.065 191.507,224.657 191.507,224.662 191.913,225.068 191.918,225.068 194.461,227.611 194.815,227.611 195.324,228.12 195.324,228.599 196.654,229.929 201.861,229.929 203.057,231.125 203.057,231.449 203.551,231.943 208.835,231.943 209.49,232.597 217.756,232.597 218.55,233.391 230.228,233.391 230.396,233.56 231.29,233.56 232.544,232.306 232.544,232.165 233.52,231.189 233.66,231.05 233.66,230.892 234.077,230.475 234.077,229.752 233.753,229.427 233.56,229.427 233.493,229.36 233.493,229.016 v2(233.491,229.015) v2@233.423,228.946
  BottomLayer w0.095: v2(144.725,172.001) 144.768,172.001 144.908,172.141 145.267,172.141 145.323,172.085 145.323,172.053 145.476,171.901 C254.2@145.501,171.901
SFP_RX_TX_2.TD_N: C257.2 IC4.A6 | length 137
  TopLayer w0.095: v2(229.491,230.015) IC4.A6@229.991,229.515
  SignalLayer1 w0.115: v2(144.55,166.875) 144.498,166.875 144.365,167.007 143.803,167.007 143.14,167.67 143.14,168.394 144.665,169.919 144.665,171.097 145.425,171.857 145.425,177.825 142.09,181.16 142.09,184.56 140.94,185.71 140.94,186.597 142.579,188.236 142.579,190.829 146.15,194.4 157.8,194.4 161.475,198.075 162.693,198.075 164.075,199.457 164.075,200.197 167.258,203.38 172.598,203.38 176.178,206.96 182.853,206.96 192.74,216.847 192.74,220.022 197.443,224.725 198.793,224.725 200.043,225.975 201.743,225.975 204.178,228.41 210.078,228.41 211.018,229.35 220.109,229.35 220.117,229.342 220.621,229.342 221.72,230.441 223.259,230.441 223.566,230.749 227.734,230.749 228.137,230.345 228.137,229.892 228.368,229.66 229.208,229.66 229.236,229.632 229.424,229.632 229.491,229.7 v2(229.491,230.015)
  BottomLayer w0.095: v2(144.55,166.875) 144.593,166.875 144.733,167.015 145.038,167.015 145.167,167.015 145.223,166.959 145.223,166.902 145.375,166.75 C257.2@145.4,166.75
SFP_RX_TX_2.TD_P: C256.2 IC4.B6 | length 136.2
  TopLayer w0.095: v2(229.491,229.015) IC4.B6@229.991,228.515
  SignalLayer1 w0.115: v2(144.55,167.375) 144.498,167.375 144.365,167.243 143.9,167.243 143.375,167.768 143.375,168.296 144.9,169.821 144.9,171 145.66,171.76 145.66,177.922 142.325,181.257 142.325,184.657 141.175,185.807 141.175,186.5 142.814,188.139 142.814,190.731 146.247,194.165 157.897,194.165 161.572,197.84 162.79,197.84 164.31,199.36 164.31,200.1 167.355,203.145 172.695,203.145 176.275,206.725 182.95,206.725 192.975,216.75 192.975,219.925 197.54,224.49 198.89,224.49 200.14,225.74 201.84,225.74 204.275,228.175 210.175,228.175 211.115,229.115 220.012,229.115 220.02,229.107 220.718,229.107 221.817,230.206 223.356,230.206 223.664,230.514 227.636,230.514 227.902,230.248 227.902,229.794 228.271,229.425 229.11,229.425 229.138,229.397 229.424,229.397 229.491,229.33 v2(229.491,229.015)
  BottomLayer w0.095: v2(144.55,167.375) 144.593,167.375 144.733,167.235 144.947,167.235 145.167,167.235 145.223,167.291 145.223,167.348 145.375,167.5 C256.2@145.4,167.5
SFP_RX_TX_3.RD_N: C283.2 IC4.C9 | length 125.5
  TopLayer w0.095: v2(232.491,228.015) IC4.C9@232.991,227.515
  SignalLayer1 w0.115: v2(170.05,206.125) 170.087,206.162 170.087,206.349 170.831,207.094 172.244,207.094 174.7,209.55 181.232,209.55 189.51,217.828 189.51,220.51 195.757,226.757 196.499,226.757 198.274,228.532 201.837,228.532 203.344,230.04 203.672,230.04 203.89,230.258 209.24,230.258 209.995,231.012 218.421,231.012 219.841,232.432 229.893,232.432 231.126,231.199 231.412,231.199 231.701,231.199 232.874,230.026 232.874,227.77 232.746,227.643 232.553,227.643 232.486,227.71 232.486,228.009 v2(232.491,228.015) ; v2@232.423,227.946 v2@232.463,227.986
  BottomLayer w0.095: C283.2@159.1,167.25 159.125,167.25 159.277,167.402 159.277,167.459 159.333,167.515 159.691,167.515 159.799,167.407 160.351,167.407 160.515,167.571 161.157,167.571 162.236,168.65 163.075,168.65 163.995,169.57 163.995,171.445 165.895,173.345 165.895,178.695 167.595,180.395 167.595,194.721 167.449,194.867 167.449,195.176 167.595,195.322 167.595,199.384 169.645,201.434 169.645,205.918 169.821,206.094 170.019,206.094 v2(170.05,206.125)
SFP_RX_TX_3.RD_P: C282.2 IC4.D9 | length 126.3
  TopLayer w0.095: v2(232.48,227.036) 232.48,227.026 IC4.D9@232.991,226.515
  SignalLayer1 w0.115: v2(169.696,206.479) 169.733,206.516 169.921,206.516 170.734,207.329 172.146,207.329 174.603,209.785 181.135,209.785 189.275,217.925 189.275,220.607 195.66,226.992 196.402,226.992 198.177,228.768 201.74,228.768 203.247,230.275 203.575,230.275 203.793,230.493 209.143,230.493 209.897,231.247 218.324,231.247 219.744,232.668 229.99,232.668 231.223,231.434 231.509,231.434 231.798,231.434 233.109,230.123 233.109,227.673 232.844,227.408 232.553,227.408 232.486,227.341 232.486,227.042 v2(232.48,227.036) ; v2@232.411,226.967 v2@232.411,227.036
  BottomLayer w0.095: C282.2@159.1,168 159.125,168 159.277,167.848 159.277,167.791 159.333,167.735 159.782,167.735 159.89,167.628 160.26,167.628 160.424,167.791 161.066,167.791 162.145,168.87 162.984,168.87 163.775,169.661 163.775,171.536 165.675,173.436 165.675,178.786 167.375,180.486 167.375,194.63 167.229,194.776 167.229,195.267 167.375,195.413 167.375,199.475 169.425,201.525 169.425,206.009 169.666,206.25 169.666,206.448 v2(169.696,206.479)
SFP_RX_TX_3.TD_N: C285.2 IC4.C7 | length 110.8
  TopLayer w0.095: v2(230.556,227.95) IC4.C7@230.991,227.515
  SignalLayer1 w0.115: v2(159.75,171.875) 159.802,171.875 159.935,171.743 160.168,171.743 162.1,173.675 162.1,177.307 163.675,178.882 163.675,195.282 165.825,197.432 168.878,200.485 174.385,200.485 177.81,203.91 184.685,203.91 195.99,215.215 195.99,218.647 199.928,222.585 201.353,222.585 202.954,224.186 202.954,224.461 204.968,226.475 211.368,226.475 212.135,227.242 221.485,227.242 222.875,228.632 229.693,228.632 229.747,228.632 230.109,228.271 230.109,227.852 230.361,227.6 230.457,227.6 230.524,227.667 230.524,227.918 v2(230.556,227.95)
  BottomLayer w0.095: C285.2@159.1,172 159.125,172 159.277,171.847 159.277,171.791 159.333,171.735 159.567,171.735 159.707,171.875 v2(159.75,171.875)
SFP_RX_TX_3.TD_P: C284.2 IC4.D7 | length 110.9
  TopLayer w0.095: v2(230.491,227.015) IC4.D7@230.991,226.515
  SignalLayer1 w0.115: v2(159.75,171.375) 159.802,171.375 159.935,171.508 160.265,171.508 162.335,173.578 162.335,177.21 163.91,178.785 163.91,195.185 166.06,197.335 168.975,200.25 174.482,200.25 177.907,203.675 184.782,203.675 196.225,215.118 196.225,218.55 200.025,222.35 201.45,222.35 203.189,224.089 203.189,224.364 205.065,226.24 211.465,226.24 212.232,227.007 221.582,227.007 222.972,228.397 229.596,228.397 229.65,228.397 229.874,228.173 229.874,227.755 230.264,227.365 230.457,227.365 230.524,227.298 230.524,227.047 v2(230.491,227.015) ; v2@230.423,226.946 v2@230.423,227.015
  BottomLayer w0.095: C284.2@159.1,171.25 159.125,171.25 159.277,171.402 159.277,171.459 159.333,171.515 159.567,171.515 159.707,171.375 v2(159.75,171.375)
SHARED_SCL: IC15.8 R190.1 R228.1 R229.1 R231.1 R235.1 R237.1 TP3.1 | length 110.3
  TopLayer w0.125: TP3.1@133.2,208.1 133.1,208 133.1,207.5 v1(133.575,207.025) ; R231.1@150.85,199.28 151.606,199.28 R190.1@151.85,199.28 151.75,199.18 v1(151.75,198.525) ; IC15.8@162.106,198.051 162.106,193.482 162.459,193.129 v1(162.459,193.125)
  MidLayer2 w0.125: v1(160.1,178.75) 160.1,180.31 159.86,180.55 159.86,180.985 159.787,181.058 159.787,183.918 161.837,185.968 161.837,191.218 162.459,191.84 v1(162.459,193.125)
  BottomLayer w0.125: R237.1@132.5,208.05 133.525,207.025 v1(133.575,207.025) 133.575,205.75 135.862,203.463 138.937,203.463 140.2,202.2 140.2,198.675 142.075,196.8 146.275,196.8 148.7,199.225 151.05,199.225 v1(151.75,198.525) 157.063,198.525 162.459,193.129 v1(162.459,193.125) ; R228.1@135.5,166.5 135.5,167.8 134.549,168.751 134.549,171.349 135.55,172.35 135.779,172.35 136.6,173.171 136.6,174.24 135.777,175.062 135.777,176.627 134.65,177.754 134.65,180.46 135.095,180.905 R229.1@135.095,180.925 138.175,180.925 141.1,178 153.844,178 154.024,177.82 154.024,177.416 154.039,177.402 154.039,177.177 154.127,177.089 ; R235.1@153.75,176.22 153.75,176.739 154.024,177.012 154.051,177.012 154.127,177.089 ; v1(160.1,178.75) 158.95,178.75 157.337,177.137 155.377,177.137 155.368,177.146 154.97,177.146 154.913,177.089 154.127,177.089
SHARED_SDA: IC15.7 R189.1 R230.1 R232.1 R233.1 R234.1 R236.1 TP2.1 | length 111
  TopLayer w0.125: TP2.1@130.95,208.075 130.95,208.05 131.7,207.3 v1(131.7,207.25) ; R189.1@148.85,199.28 R230.1@149.85,199.28 149.75,199.18 v1(149.75,198.475) ; IC15.7@161.606,198.051 161.606,193.328 v1(161.809,193.125)
  MidLayer2 w0.125: v1(159.225,178.25) 159.293,178.318 159.293,178.688 159.518,178.912 159.518,181.231 159.225,181.523 159.225,182.575 159.525,182.875 159.525,184.575 161.238,186.288 161.238,188.138 161.225,188.15 161.225,191.525 161.809,192.109 v1(161.809,193.125)
  BottomLayer w0.125: R236.1@131.45,208.08 131.47,208.08 131.697,207.853 131.697,207.25 131.697,205.203 136.199,200.701 136.199,196.726 137.35,195.575 146.85,195.575 v1(149.75,198.475) 154.225,194 160.934,194 v1(161.809,193.125) ; R233.1@135.095,179.925 137.725,179.925 142.175,175.475 ; R232.1@135.5,165.499 135.5,165.519 136.5,166.52 136.5,167.275 134.762,169.013 134.762,170.887 135.675,171.8 138.5,171.8 142.175,175.475 ; v1(159.225,178.25) 159.225,177.496 158.142,176.412 157.758,176.412 157.723,176.447 156.977,176.447 R234.1@156.75,176.22 156.73,176.22 156.26,175.75 150.325,175.75 149.712,176.363 148.387,176.363 147.742,175.717 146.917,175.717 146.675,175.475 142.175,175.475
TxD_2V5: IC4.P16 IC20.4 TP17.1 | length 159.7
  TopLayer w0.1: v1(183.825,220.55) 184.525,219.85 184.525,215.875 191.625,208.775 191.625,207.125 v1(193.25,205.5)
  TopLayer w0.125: IC4.P16@239.991,216.515 v2(240.491,216.015)
  TopLayer w0.15: TP17.1@110.25,223.5 111.049,224.299 113.476,224.299 v1(114.636,223.139) IC20.4@115.94,223.139
  MidLayer2 w0.1: v1(114.636,223.139) 119.125,223.139 119.775,223.789 119.775,223.999 120.635,224.859 121.217,224.859 121.313,224.763 123.125,226.575 130.125,226.575 130.85,227.3 132.675,227.3 133.066,226.909 133.414,226.909 134.273,226.05 135.2,226.05 138.125,223.125 144.875,223.125 146.264,221.736 148.164,221.736 151.038,218.862 151.074,218.862 152.7,217.236 152.7,217.2 160.775,217.2 162.725,219.15 163.011,219.15 163.275,219.414 163.275,219.7 166.95,223.375 179.225,223.375 181,221.6 181.9,221.6 182.95,220.55 v1(183.825,220.55)
  SignalLayer1 w0.1: v1(193.25,205.5) 193.705,205.045 194.145,205.045 194.349,204.84 208.004,204.84 208.77,205.606 223.705,205.606 225.599,207.5 226.55,207.5 227.375,208.325 231.335,208.325 232.6,209.59 237.365,209.59 238.35,210.575 238.825,210.575 239.05,210.8 239.05,211.25 239.46,211.66 239.586,211.66 239.805,211.88 239.805,211.917 239.854,211.966 239.854,212.597 240.022,212.764 240.022,215.545 v2@240.423,215.946
USB_D_R_N: D2.3 IC18.7 J23.2 | length 37.9
  TopLayer w0.135: J23.2@103.25,219.5 103.725,219.5 103.907,219.683 104.883,219.683 105.84,220.64 105.84,226.415 106.155,226.73 107.025,226.73 107.754,226.001 107.754,225.79 D2.3@107.822,225.723 ; D2.3@108.031,226.159 108.61,226.738 v2@109.28,226.738 ; IC18.7@126.615,226.708 126.615,228.52 v2(126.619,228.524)
  SignalLayer1 w0.15: v2(109.28,226.651) 109.41,226.781 110.119,226.781 112.798,229.46 120.75,229.46 121.25,229.46 cw(c121.25,229.26) 121.45,229.26 121.45,228.749 ccw(c121.65,228.749) 121.65,228.549 ccw(c121.65,228.749) 121.85,228.749 121.85,229.26 cw(c122.05,229.26) 122.05,229.46 122.49,229.46 cw(c122.49,228.47) 123.006,229.315 ccw(c123.605,229.961) 123.155,229.204 ccw(c123.605,229.961) 123.605,229.08 126.57,229.08 cw(c126.57,228.452) 127.014,228.896 127.17,228.74 cw(c126.639,228.209) 127.39,228.211 cw(c126.919,228.211) 127.252,227.878 127.246,227.872 cw(c126.98,228.137) 126.98,227.762 126.89,227.762 cw(c126.89,228.048) 126.688,227.846 126.562,227.972 cw(c126.791,228.201) 126.467,228.201 126.467,228.371 v2(126.619,228.524)
USB_D_R_P: D2.2 IC18.8 J23.3 | length 38.3
  TopLayer w0.135: J23.3@103.25,220.15 103.725,220.15 103.907,219.968 104.764,219.968 105.555,220.758 105.555,226.533 105.722,226.7 106.037,227.015 107.025,227.015 107.754,227.745 107.754,227.955 D2.2@107.822,228.023 107.822,227.818 108.606,227.034 109.045,227.034 v2(109.193,227.182) ; v2(126.06,228.524) 126.115,228.469 IC18.8@126.115,226.708
  SignalLayer1 w0.15: v2(109.193,227.182) 109.323,227.051 110.007,227.051 112.686,229.73 122.49,229.73 cw(c122.49,228.47) 123.313,229.424 ccw(c123.605,229.961) 123.49,229.361 ccw(c123.605,229.961) 123.493,229.36 ccw(c123.605,229.961) 123.605,229.35 126.617,229.35 cw(c126.617,228.565) 127.172,229.12 ; v2(126.06,228.524) 126.197,228.387 126.197,228.098 ccw(c126.543,228.098) 126.298,227.853 126.381,227.771 126.497,227.655 ; 126.497,227.654 ccw(c126.89,228.048) 126.89,227.492 126.98,227.492 ccw(c126.98,228.137) 127.437,227.681 127.443,227.687 ccw(c126.919,228.211) 127.66,228.209 ccw(c126.919,228.211) 127.66,228.211 ccw(c126.639,228.209) 127.361,228.93 ; 127.172,229.12 127.361,228.931
USB_TCK: IC17.9 IC18.12 R195.1 | length 9.8
  TopLayer w0.125: IC17.9@119.01,232.537 119.634,232.537 119.926,232.829 R195.1@120.396,232.829 ; R195.1@120.418,232.807 120.418,232.357 120.5,232.275 120.672,232.275 120.857,232.09 120.857,231.718 121.225,231.35 121.225,229.154 122.033,228.346 122.936,228.346 124.115,227.167 IC18.12@124.115,226.708
USB_TDI_DO: IC17.8 IC18.13 R196.1 | length 8.5
  TopLayer w0.125: IC17.8@119.01,232.137 119.996,232.137 R196.1@120.396,231.737 120.925,231.208 120.925,228.833 121.666,228.092 122.637,228.092 123.615,227.114 IC18.13@123.615,226.708